# Altium PCB Taxi.PcbDoc (part 1 of 2)
Units mm, origin at the board's own origin, x right, y up, seen from the top; angles counter-clockwise.
Board outline 130 x 64 mm, 2 copper layers (Top Layer, Bottom Layer), stack 1.671 mm thick; 103 components, 82 nets, 446 pads, 196 vias.
Unrouted connection lines stored in the file: 37.
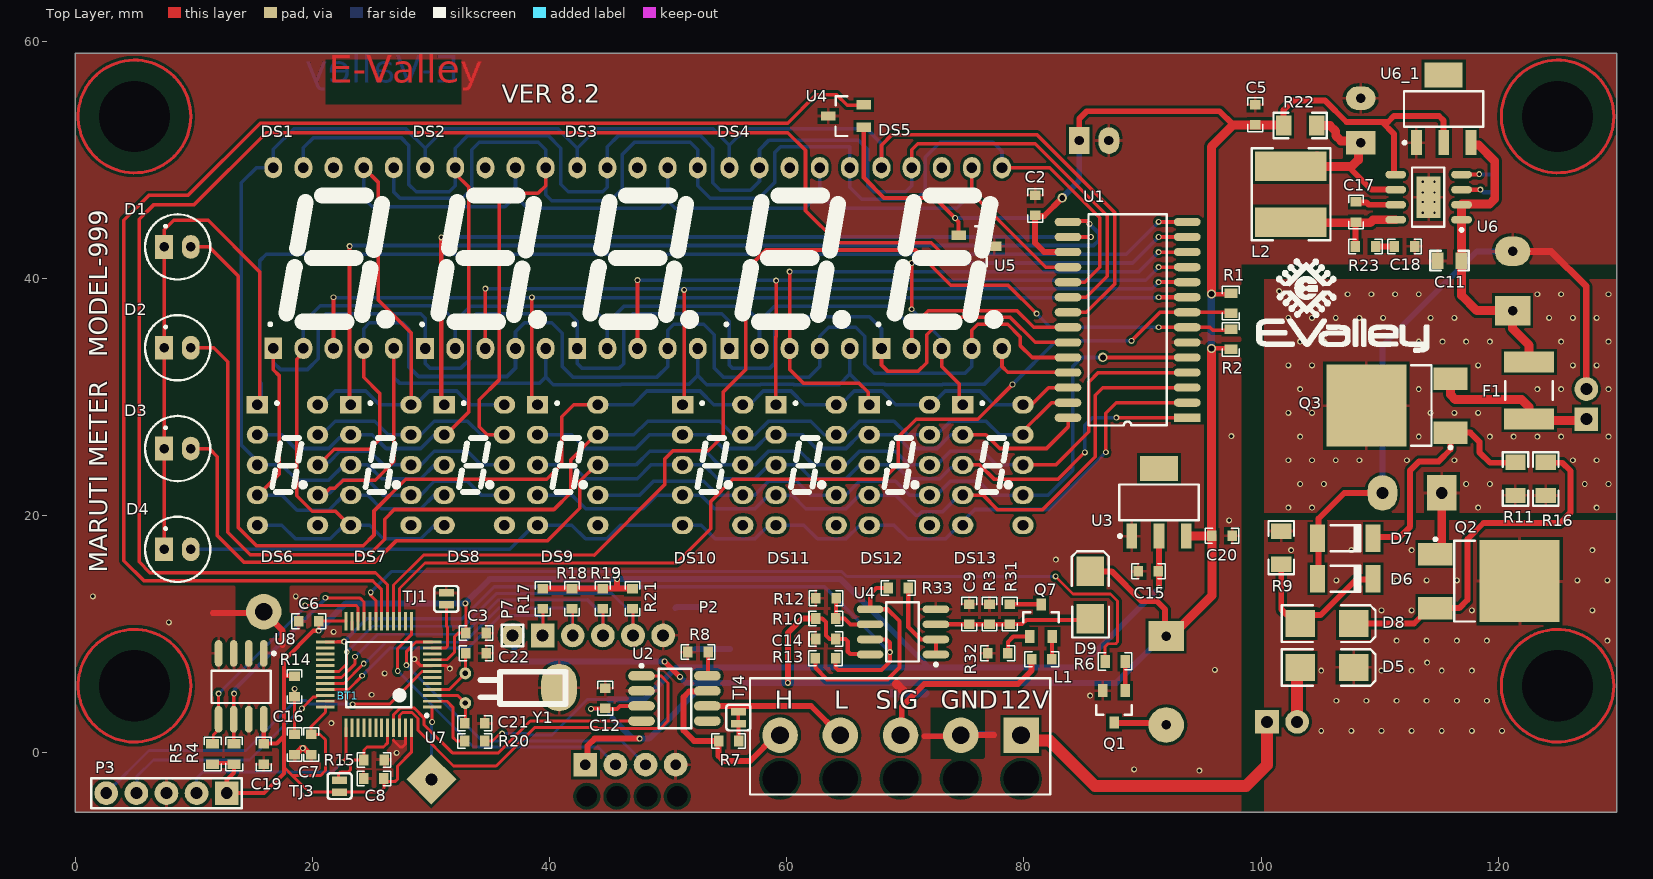
[diagram p0: Top Layer view]
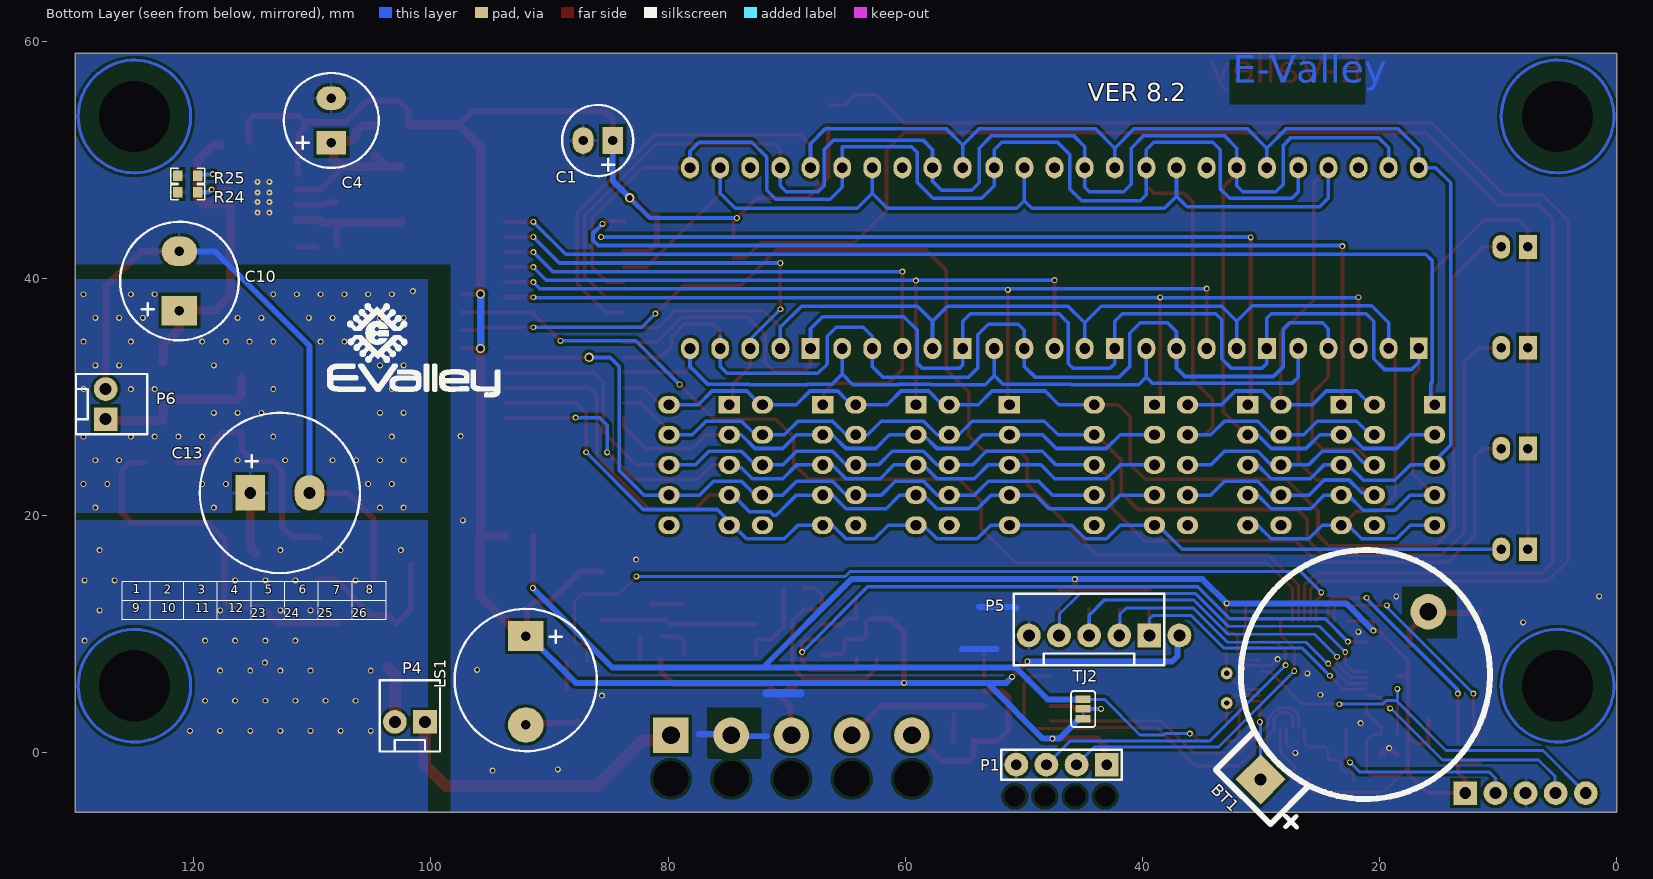
[diagram p1: Bottom Layer view, seen from below]
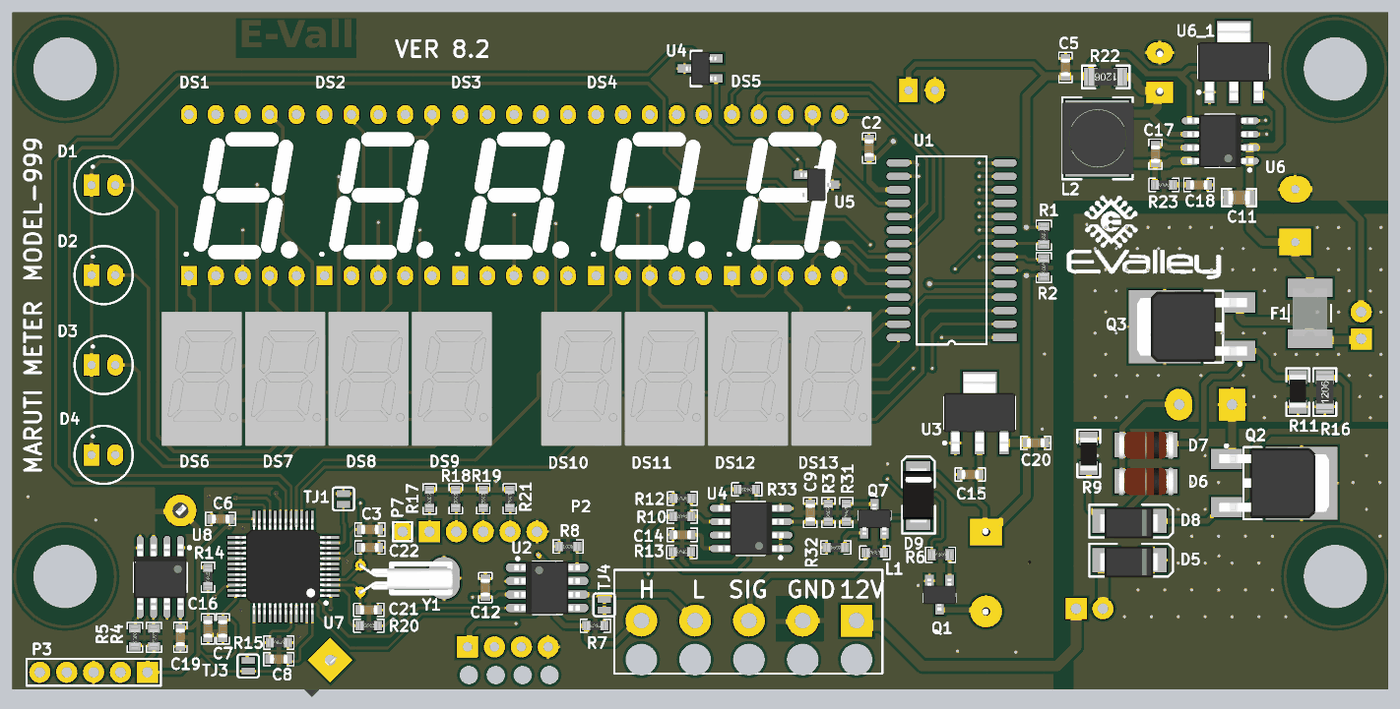
[diagram p3: 3D render of the assembled board from above, using the file's embedded part models]

## Layer stack, top to bottom
Top Solder: solder mask 0.0102, Solder Resist, Dk 3.5
Top Layer: signal copper 0.0356
Dielectric 1: dielectric 1.6, FR-4, Dk 4.8
Bottom Layer: signal copper 0.0356
Bottom Solder: solder mask 0.0102, Solder Resist, Dk 3.5

## Board outline
0,-5 130,-5 130,59 0,59

## Design rules (kind name [scope] priority, off if disabled: settings)
Clearance U1_Clearance [(InComponent('U7') OR InNet('NetC8_1') OR InNet('+3.3V')OR InNet('CAN_RXD') OR InNet('CAN_TXD') OR InNet('RST')OR InNet('ICPCK') OR InNet('ICPDA') OR InNet('NetC22_1')OR InNet('NetC22_1') OR InNet('NetBT1_1') OR InNet('NetP5_4') OR InNet('NetP5_3') OR InNet('NetP5_2') OR InNet('NetP5_1') OR InNet('SENSER1') OR InNet('SENSER2') OR InNet('NetTJ1_1') OR InNet('DIO') OR InNet('CLK') OR InNet('SDA') OR InNet('SCL') OR InNet('BUZZER'))] p1: gap=0.25 ignorepadtopadclearanceinfootprint=TRUE except(0.1: Arc-SMDPad Track-SMDPad; 0.15: Arc-Arc Arc-Track Track-Track)
Clearance [All] p2: gap=0.25 ignorepadtopadclearanceinfootprint=TRUE
ComponentClearance [All] p1: gap=0.05 collisioncheckmode=3 verticalgap=0.05 showdistances=FALSE
HoleSize [All] p1: absolutevalues=TRUE maxlimit=7 minlimit=0.025 maxpercent=80.000 minpercent=20.000
MinimumSolderMaskSliver [All] p1: minsoldermaskwidth=0.05
PlaneConnect [All] p1: pad.planeconnectstyle=Relief pad.reliefexpansion=0.508 pad.reliefentries=4 pad.reliefconductorwidth=0.25 pad.reliefairgap=0.254 via.planeconnectstyle=Direct via.reliefexpansion=0.508 via.reliefentries=4 via.reliefconductorwidth=0.25 via.reliefairgap=0.254
PolygonConnect [All] p1: thpad.connectstyle=Relief thpad.reliefconductorwidth=0.254 thpad.reliefentries=4 thpad.polygonreliefangle="90 Angle" thpad.airgapwidth=0.254 smdpad.connectstyle=Relief smdpad.reliefconductorwidth=0.254 smdpad.reliefentries=4 smdpad.polygonreliefangle="90 Angle" smdpad.airgapwidth=0.254 via.connectstyle=Direct via.reliefconductorwidth=0.254 via.reliefentries=4 via.polygonreliefangle="90 Angle" via.airgapwidth=0.254
RoutingVias [All] p1: holewidth=0.3 width=0.5 viastyle="Through Hole" minholewidth=0.3 minwidth=0.5 maxholewidth=2 maxwidth=3
ShortCircuit ShortCircuit_1 [(InNet('CAN_L') AND InNet('NetR7_1'))] p1: allowed=TRUE
ShortCircuit [All] p2: allowed=FALSE
SilkToSilkClearance [All] p1: silktosilkclearance=0.127
SilkToSolderMaskClearance [IsPad] p1 off: minsilkscreentomaskgap=0.127 clearancetoexposedcopper=TRUE
SolderMaskExpansion [All] p1: expansion=0.102 istentingtop=FALSE
Width [All] p1: maxlimit=2 minlimit=0.2 preferedwidth=0.4 minimp=50.000000 maximp=50.000000 favimp=50.000000
23 further rules are at their usual default settings.

## Classes and differential pairs
component class Taxi: BT1 C3 C4 C5 C6 C7 C8 C9 C10 C11 C12 C13 C14 C15 C16 C17 C18 C19 C20 C21 C22 D5 D6 D7 D8 D9 F1 L1 L2 LS1 P1 P2 P3 P4 P5 P6 P7 Q1 Q2 Q3 Q7 R3 R4 R5 R6 R7 R8 R9 R10 R11 R12 R13 R14 R15 R16 R17 R18 R19 R20 R21 R22 R23 R24 R25 R31 R32 R33 TJ1 TJ2 TJ3 TJ4 U2 U3 U4 U5 U6 U6_1 U7 U8 Y1
component class Display: C1 C2 D1 D2 D3 D4 DS1 DS2 DS3 DS4 DS5 DS6 DS7 DS8 DS9 DS10 DS11 DS12 DS13 R1 R2 U1

## Components (designator, comment, footprint, x,y, rotation, side; value= is the part's Value field where it differs from the comment)
BT1 "CR2032 3V" "BATTERY HOLDER(CR2032)" 15.9,11.9 r135 top locked
C1 "100uF/10V" C10UF25V 84.669,51.634 r0 bottom
C2 "0.1uF/10V" C0603 80.946,46.166 r270 top
C3 "0.1uF/10V" C0603 33.8,10.1 r180 top
C4 "220uF/16V" C220uF25V 108.4,51.45 r90 bottom
C5 "0.1uF" C0603 99.5,53.8 r270 top
C6 "0.1uF/10V" C0603 19.7,11.1 r0 top
C7 "0.1uF/10V" C0603 19.9,0.7 r90 top
C8 "0.1uF/10V" C0603 25.19,-2.161 r0 top
C9 "0.1uF" C0603 75.4,11.7 r90 top
C10 "1500uF/25V" C1000uF25V 121.205,37.283 r90 bottom
C11 "0.1uF/50V" C0805 115.9,41.5 r0 top
C12 "0.1uF/50V" C0603 44.7,4.6 r270 top
C13 "1000uF/50V" C1000uF50V 115.236,21.916 r180 bottom
C14 "0.1uF" C0603 63.3,9.6 r0 top
C15 "0.1uF/50V" C0603 90.5,15.3 r0 top
C16 "0.1uF/10V" C0603 18.5,0.7 r270 top
C17 "0.1uF/50V" C0603 108,45.6 r270 top
C18 "3.3nF" C0603 112.1,42.7 r180 top
C19 "0.1uF/10V" C0603 15.9,-0.1 r270 top
C20 "0.1uF/50V" C0603 96.7,18.3 r180 top
C21 "0.1uF/50V" C0603 33.7,2.5 r0 top
C22 "0.1uF/50V" C0603 33.8,8.4 r0 top
D1 "RED" LED-5MM 7.5,42.66 r0 top
D2 "GREEN" LED-5MM 7.5,34.16 r0 top
D3 "YELLOW" LED-5MM 7.5,25.66 r0 top
D4 "RED" LED-5MM 7.5,17.16 r0 top locked
D5 "M7" DO-241 103.3,7.2 r0 top
D6 "12V Zener" LL-41 107.1,14.67 r0 top
D7 "12V Zener" LL-41 107.1,18.1 r0 top
D8 "M7" DO-241 103.3,10.9 r0 top
D9 "M7" SMA 85.6,13.3 r90 top
DS1 "7 Segment 0.56" 7SEGMENT(0.56) 16.705,34.107 r0 top locked
DS2 "7 Segment 0.56" 7SEGMENT(0.56) 29.511,34.101 r0 top locked
DS3 "7 Segment 0.56" 7SEGMENT(0.56) 42.338,34.101 r0 top locked
DS4 "7 Segment 0.56" 7SEGMENT(0.56) 55.165,34.101 r0 top locked
DS5 "7 Segment 0.56" 7SEGMENT(0.56) 67.992,34.101 r0 top locked
DS6 "7 Segment 0.3\"" 7SEGMENT(0.36) 15.365,29.357 r0 top locked
DS7 "7 Segment 0.3\"" 7SEGMENT(0.36) 23.242,29.357 r0 top locked
DS8 "7 Segment 0.3\"" 7SEGMENT(0.36) 31.116,29.357 r0 top locked
DS9 "7 Segment 0.3\"" 7SEGMENT(0.36) 38.99,29.357 r0 top locked
DS10 "7 Segment 0.3\"" 7SEGMENT(0.36) 51.22,29.357 r0 top locked
DS11 "7 Segment 0.3\"" 7SEGMENT(0.36) 59.094,29.357 r0 top
DS12 "7 Segment 0.3\"" 7SEGMENT(0.36) 66.968,29.357 r0 top locked
DS13 "7 Segment 0.3\"" 7SEGMENT(0.36) 74.842,29.357 r0 top locked
F1 "500mA PTC" "1812(PTC FUSE)" 122.602,30.552 r90 top
L1 "Res1" R0603#1 81.5,7.9 r0 top value=1K
L2 "22uH" Ferrite_Coil_22uH 102.5,47.1 r90 top
LS1 "Buzzer 5V" BUZZER 92,6.1 r270 bottom
P1 "Header 4X1" HDR1X4 43.02,-1 r0 bottom
P2 "Header 5X1" Connector_508_5pin 79.76,1.483 r180 top
P3 "Header 5X1" HDR1X5 12.78,-3.4 r180 top
P4 "Header 2X1" HDR1X2_2515 100.504,2.612 r0 bottom
P5 "Header 5" HDR1X5_2515 39.42,9.9 r0 bottom
P6 "Header 2X1" HDR1X2_2515 127.428,28.139 r90 bottom
P7 "Header 1X1" HDR1X1 36.88,9.9 r0 top
Q1 "NPN" SOT-23 87.6,3.9 r270 top
Q2 "2P4M" DPAK_SOT423_252 119.25,14.48 r0 top
Q3 "TIP122" DPAK_SOT423_252 111.426,29.282 r180 top
Q7 "BC857" SOT-23 81.45,11.15 r90 top
R1 "10K" R0603#2 97.456,37.918 r90 top value=1K
R2 "10K" R0603#2 97.456,34.87 r270 top value=1K
R3 "10K" R0603#1 77.1,11.7 r90 top value=1K
R4 "Res1" R0603#2 11.6,-0.1 r270 top value=1K
R5 "Res1" R0603#2 13.4,-0.1 r270 top value=1K
R6 "Res1" R0603#2 87.7,7.7 r180 top value=1K
R7 "120R" R0603#1 55.1,1 r180 top
R8 "0R" R0603#1 52.524,8.497 r180 top
R9 "Res1" R1206 101.7,17.3 r90 top value=1K
R10 "10K" R0603#1 63.3,11.324 r180 top value=1K
R11 "Res1" R1206 121.441,23.101 r270 top value=1K
R12 "2K2" R0603#1 63.316,13.04 r180 top value=1K
R13 "100K" R0603#1 63.272,7.977 r180 top value=1K
R14 "1K" R0603#1 18.5,5.6 r90 top
R15 "Res1" R0603#1 25.2,-0.6 r0 top value=1K
R16 "Res1" R1206 124,23.1 r90 top value=1K
R17 "1K" R0603#1 39.438,12.995 r90 top
R18 "1K" R0603#1 41.9,13 r90 top
R19 "1K" R0603#1 44.5,13 r90 top
R20 "1K" R0603#1 33.7,1 r0 top
R21 "1K" R0603#1 47,13 r90 top
R22 "0R062" R1206 103.3,52.9 r180 top value=1K
R23 "3R3" R0603#1 108.8,42.7 r180 top value=1K
R24 "DNP" R0603#1 120.504,47.273 r180 bottom
R25 "DNP" R0603#1 120.504,48.673 r180 bottom
R31 "4K7" R0603#1 78.8,11.7 r90 top value=1K
R32 "10K" R0603#1 77.8,8.4 r0 top value=1K
R33 "2K2" R0603#1 69.4,13.9 r180 top value=1K
TJ1 "JUMPER-PAD-2-NO_BY_TRACE" PAD_JUMPER_2_NO 31.3,12.992 r270 top
TJ2 "" PAD_JUMPER_3_12NC 45,3.7 r90 bottom
TJ3 "JUMPER-PAD-2-NO_BY_TRACE" PAD_JUMPER_2_NO 22.3,-2.8 r270 top
TJ4 "" PAD_JUMPER_2_NC 55.925,2.967 r90 top
U1 "TMXXXX" SOP28 93.773,28.259 r180 top
U2 "SN65HVD1050DR" SOIC-8N#1 50.539,4.589 r0 top
U3 "LM1117-3.3V" SOT223 91.396,21.127 r90 top
U4 "LM393" SOIC-8N#2 69.8,10.2 r180 top
U4 "Hall effect Switch" "SOT-23 - Sensor" 65,53.7 r180 top
U5 "Hall effect Switch" "SOT-23 - Sensor" 76,42.7 r0 top
U6 "uP9601TSW8" "SO PowerPAD" 114.121,46.853 r180 top
U6_1 "LM1117-5.0V" SOT223 115.4,54.3 r90 top
U7 "Microcontroller" TQFP48 25.6,6.6 r180 top
U8 "24C02" SOIC-8N#2 14,5.6 r270 top
Y1 "XTAL" Craystal_Radial_2x6 32.9,5.45 r270 top

## Footprints (in the part's own frame and the unit in brackets; to place one, negate y for a bottom-side part, rotate by r counter-clockwise, add the part's x,y. Pads: shape width x height; smd on the part's side, far side on the other; paste and mask are expansions set on the pad)
7SEGMENT(0.36) [mm]
  rect 1.8x1.5 hole 0.9: 1(0,0)
  oval 1.8x1.5 hole 0.9: 2(0,-2.54) 3(0,-5.08) 4(0,-7.62) 5(0,-10.16) 6(5.08,-10.16) 7(5.08,-7.62) 8(5.08,-5.08) 9(5.08,-2.54) 10(5.08,0)
  silkscreen extent 1.26,-7.35 4,0.25, body extent -1.25,-11.35 6.35,1.35, height 7.2
7SEGMENT(0.56) [mm]
  rect 1.5x1.8 hole 0.9: 1(0,0)
  oval 1.5x1.8 hole 0.9: 2(2.54,0) 3(5.08,0) 4(7.62,0) 5(10.16,0) 6(10.16,15.24) 7(7.62,15.24) 8(5.08,15.24) 9(2.54,15.24) 10(0,15.24)
  silkscreen extent -0.38,1.91 9.77,12.9, body extent -1.25,-1.9 11.35,17.1, height 8
"1812(PTC FUSE)" [mm] "Chip Capacitor, Body 4.5x3.2mm, IPC High Density"
  rect 1.75x4.22 smd: 1(-2.4,0) 2(2.4,0)
  silkscreen extent -0.8,-2 0.8,2, body extent -2.2,-1.59 2.35,1.65, height 0.7
"BATTERY HOLDER(CR2032)" [mm]
  rect 3x3 hole 1: 1(-20,0)
  round 3 hole 1.5: 2(0,0)
  body extent -21.28,-11.22 3.02,11.08, height 8.5
BUZZER [mm]
  rect 2.5x3 hole 0.8: 1(-3.75,0)
  round 3 hole 0.8: 2(3.75,0)
  silkscreen extent -6.04,-6 5.96,6, body extent -6.02,-5.95 5.98,6.05, height 9.5
C10UF25V [mm]
  rect 1.75x2.25 hole 0.8: 1(0,0)
  oval 1.75x2.25 hole 0.8: 2(2.5,0)
  silkscreen extent -1.73,-3 4.27,3
C220uF25V [mm]
  rect 2x2.5 hole 0.8: 1(0,0)
  oval 2x2.5 hole 0.8: 2(3.75,0)
  silkscreen extent -2.12,-4 5.88,4, body extent -2.12,-3.97 5.88,4.02, height 11.5
C0603 [mm]
  rect 0.8x0.9 smd: 1(-0.85,0) 2(0.85,0)
  silkscreen extent -1.42,-0.63 1.42,0.63, body extent -0.85,-0.45 0.85,0.45, height 0.9
C0805 [mm]
  rect 1x1.4 smd: 1(-1,0) 2(1,0)
  silkscreen extent -1.63,-0.82 1.63,0.82, body extent -1.05,-0.67 1.05,0.68, height 0.95
C1000uF25V [mm]
  rect 2.5x3 hole 0.8: 1(0,0)
  oval 2.5x3 hole 0.8: 2(5,0)
  silkscreen extent -2.5,-5 7.5,5
C1000uF50V [mm]
  rect 2.5x3 hole 1: 1(0,0)
  oval 2.5x3 hole 1: 2(5,0)
  silkscreen extent -4.25,-6.75 9.25,6.75
Connector_508_5pin [mm]
  rect 3x3 hole 1.5: 1(0,0)
  round 3 hole 1.5: 2(5.08,0) 3(10.16,0) 4(15.24,0) 5(20.32,0)
  silkscreen extent -2.45,-4.8 22.86,5, body extent -2.37,-4.83 22.86,5.02, height 14.5
Craystal_Radial_2x6 [mm] "32.768KHz, 2mm diameter, 6mm length"
  round 1 hole 0.45: 1(-1.25,0) 2(1.25,0)
  silkscreen extent -1.39,1.28 1.33,8.45, body extent -1.38,-0.14 1.46,8.75, height 2
DO-241 [mm]
  rect 2.5x2.3 smd: 1(0,0) 2(4.5,0)
  silkscreen extent -1.55,-1.55 6.35,1.55, body extent -0.6,-1.65 5,1.3, height 2.9
DPAK_SOT423_252 [mm] "D-PAK, 3-Pads, Body 8.30x6.76mm (max), IPC Low Density"
  rect 2.9x1.9 smd: 1(-4.55,2.28) 3(-4.55,-2.28)
  rect 6.75x6.9 smd: 4(2.55,0)
  silkscreen extent -4.67,-3.4 -1.23,3.65, body extent -5.22,-3.33 5.18,3.35, height 2.4
Ferrite_Coil_22uH [mm] "Precision Wire Wound Inductor, 2-Leads, Body 6.3x6.00mm, IPC Low Density"
  rect 2.5x6 smd: 1(-2.35,0) 2(2.35,0)
  silkscreen extent -3.88,-3.35 3.88,3.3, body extent -3.4,-3.45 3.4,3.35, height 2.8
HDR1X1 [mm] "Connector; Header; 1Position"
  round 2 hole 1: 1(0,0)
  silkscreen extent -0.9,-0.9 0.9,0.9
HDR1X2_2515 [mm] "Connector; Header; 5 Position"
  rect 2x2 hole 1: 1(0,0)
  round 2 hole 1: 2(2.54,0)
  silkscreen extent -1.27,-3.5 3.81,2.5
HDR1X4 [mm] "Connector; Header; 4 Position"
  rect 2x2 hole 0.9: 1(0,0)
  round 2 hole 0.9: 2(2.54,0) 3(5.08,0) 4(7.62,0)
  silkscreen extent -1.27,-1.27 8.89,1.27
HDR1X5 [mm] "Connector; Header; 5 Position"
  rect 2x2 hole 1: 1(0,0)
  round 2 hole 1: 2(2.54,0) 3(5.08,0) 4(7.62,0) 5(10.16,0)
  silkscreen extent -1.27,-1.27 11.43,1.27
HDR1X5_2515 [mm] "Connector; Header; 5 Position"
  rect 2x2 hole 1: 1(0,0)
  round 2 hole 1: 2(2.54,0) 3(5.08,0) 4(7.62,0) 5(10.16,0)
  silkscreen extent -1.27,-3.5 11.43,2.5
LED-5MM [mm]
  rect 1.5x2 hole 0.8: 1(0,0)
  oval 1.5x2 hole 0.8: 2(2.25,0)
  silkscreen extent -1.61,-2.75 3.89,2.75, body extent -1.85,-3 3.77,2.95, height 8.72
LL-41 [mm] "MELF Diode, 2-Leads, Body 5.00x2.40mm, IPC Low Density"
  rect 1.25x2.3 smd: 1(-2.35,0) 2(2.35,0)
  silkscreen extent -1.25,-1.1 1.25,1.1, body extent -2.58,-1.33 2.63,1.27, height 2.6
PAD_JUMPER_2_NC [mil] "PAD-JUMPER-2-NC_BY_TRACE_YES_SILK"
  rect 25x50 smd: 1(-20,0) 2(20,0)
  Top Layer region: -15.75,-5.91 15.74,-5.91 15.74,5.91 -15.75,5.91
  silkscreen extent -42,-40 43,40
PAD_JUMPER_2_NO [mil] "PAD-JUMPER-2-NO_BY_TRACE_YES_SILK"
  rect 25x50 smd: 1(-20,0) 2(20,0)
  silkscreen extent -43,-40 43,40
PAD_JUMPER_3_12NC [mil] "PAD-JUMPER-3-1OF1_NC_BY_TRACE_YES_SILK_FULL_BOX"
  rect 25x50 smd: 1(-32,0) 2(0,0) 3(32,0)
  Top Layer region: -21.43,3.94 -11,3.94 -11,-3.94 -21.43,-3.94
  silkscreen extent -60,-40 60,40
R0603#1 [mm]
  rect 0.8x0.9 smd: 1(-0.85,0) 2(0.85,0)
  silkscreen extent -1.42,-0.63 1.42,0.63, body extent -1.05,-0.4 1.05,0.4, height 0.5
R0603#2 [mm]
  rect 0.8x1.1 smd: 1(-0.85,0) 2(0.85,0)
  silkscreen extent -1.41,-0.72 1.42,0.72, body extent -1.05,-0.4 1.05,0.4, height 0.5
R1206 [mm]
  rect 1.3x1.7 smd: 1(-1.4,0) 2(1.4,0)
  silkscreen extent -2.25,-1.07 2.25,1.07, body extent -1.62,-0.77 1.48,0.78, height 0.55
SMA [mm]
  rect 2.5x2.3 smd: 1(-2,0) 2(2,0)
  silkscreen extent -3.57,-1.57 3.7,1.55, body extent -2.62,-1.48 2.67,1.45, height 2.41
"SO PowerPAD" [mm]
  oval 1.75x0.65 smd: 1(-2.783,1.905) 2(-2.783,0.635) 3(-2.783,-0.635) 4(-2.783,-1.905) 5(2.767,-1.905) 6(2.767,-0.635) 7(2.767,0.635) 8(2.767,1.905)
  rect 2x3.5 smd: 9(0,0)
  silkscreen extent -2.91,-2.5 1.4,2.88, body extent -3.1,-2.5 3.1,2.5, height 1.75
SOIC-8N#1 [mm] "SOIC, 8-Leads, Body 4.90x3.90mm, Pitch 1.27mm, IPC Medium Density"
  oval 2.25x0.8 smd: 1(-2.783,1.905) 2(-2.783,0.635) 3(-2.783,-0.635) 4(-2.783,-1.905) 5(2.767,-1.905) 6(2.767,-0.635) 7(2.767,0.635) 8(2.767,1.905)
  silkscreen extent -2.91,-2.5 1.4,2.88, body extent -3.1,-2.5 3.1,2.5, height 1.75
SOIC-8N#2 [mm] "SOIC, 8-Leads, Body 4.90x3.90mm, Pitch 1.27mm, IPC Medium Density"
  oval 2.25x0.65 smd: 1(-2.783,1.905) 2(-2.783,0.635) 3(-2.783,-0.635) 4(-2.783,-1.905) 5(2.767,-1.905) 6(2.767,-0.635) 7(2.767,0.635) 8(2.767,1.905)
  silkscreen extent -2.91,-2.5 1.4,2.88, body extent -3.1,-2.5 3.1,2.5, height 1.75
SOP28 [mm]
  rect 2.25x0.7 smd: 1(0,0)
  oval 2.25x0.7 smd: 2(0,-1.27) 3(0,-2.54) 4(0,-3.81) 5(0,-5.08) 6(0,-6.35) 7(0,-7.62) 8(0,-8.89) 9(0,-10.16) 10(0,-11.43) 11(0,-12.7) 12(0,-13.97) 13(0,-15.24) 14(0,-16.51) 15(10.05,-16.51) 16(10.05,-15.24) 17(10.05,-13.97) 18(10.05,-12.7) 19(10.05,-11.43) 20(10.05,-10.16) 21(10.05,-8.89) 22(10.05,-7.62) 23(10.05,-6.35) 24(10.05,-5.08) 25(10.05,-3.81) 26(10.05,-2.54) 27(10.05,-1.27) 28(10.05,0)
  silkscreen extent 1.73,-17.14 8.32,0.66, body extent -0.25,-17.23 10.05,0.67, height 2.65
SOT223 [mm]
  rect 2.1x0.9 smd: 1(-2.85,2.3) 2(-2.85,0) 3(-2.85,-2.3)
  rect 2.1x3.2 smd: 4(2.85,0)
  silkscreen extent -2.97,-3.35 1.5,3.42, body extent -3.62,-3.35 3.67,3.35, height 1.8
SOT-23 [mm] "SOT23, 3-Leads, Body 2.9x1.3mm, Pitch 0.95mm, Lead Span 2.3mm - Reverse Pinning, IPC Medium Density"
  rect 1.1x0.8 smd: 1(-1.35,0.95) 2(-1.35,-0.95)
  rect 1x0.8 smd: 3(1.35,0)
  silkscreen extent -0.13,-1.5 0.7,1.5, body extent -1.53,-1.55 1.47,1.55, height 1.45
"SOT-23 - Sensor" [mm] "SOT23, 3-Leads, Body 2.9x1.3mm, Pitch 0.95mm, Lead Span 2.3mm - Reverse Pinning, IPC Medium Density"
  rect 1.25x0.8 smd: 1(-1.5,0.95) 2(-1.5,-0.95) 3(1.5,0)
  silkscreen extent -0.13,-1.68 0.89,1.69, body extent -1.53,-1.55 1.47,1.55, height 1.45
TQFP48 [mm]
  rect 1.55x0.25 smd: 1(-4.5,2.75) 2(-4.5,2.25) 3(-4.5,1.75) 4(-4.5,1.25) 5(-4.5,0.75) 6(-4.5,0.25) 7(-4.5,-0.25) 8(-4.5,-0.75) 9(-4.5,-1.25) 10(-4.5,-1.75) 11(-4.5,-2.25) 12(-4.5,-2.75) 25(4.5,-2.75) 26(4.5,-2.25) 27(4.5,-1.75) 28(4.5,-1.25) 29(4.5,-0.75) 30(4.5,-0.25) 31(4.5,0.25) 32(4.5,0.75) 33(4.5,1.25) 34(4.5,1.75) 35(4.5,2.25) 36(4.5,2.75)
  rect 0.25x1.55 smd: 13(-2.75,-4.5) 14(-2.25,-4.5) 15(-1.75,-4.5) 16(-1.25,-4.5) 17(-0.75,-4.5) 18(-0.25,-4.5) 19(0.25,-4.5) 20(0.75,-4.5) 21(1.25,-4.5) 22(1.75,-4.5) 23(2.25,-4.5) 24(2.75,-4.5) 37(2.75,4.5) 38(2.25,4.5) 39(1.75,4.5) 40(1.25,4.5) 41(0.75,4.5) 42(0.25,4.5) 43(-0.25,4.5) 44(-0.75,4.5) 45(-1.25,4.5) 46(-1.75,4.5) 47(-2.25,4.5) 48(-2.75,4.5)
  silkscreen extent -4.18,-2.75 2.75,3.57, body extent -4.51,-4.51 4.51,4.51, height 1.55

## Part data
BT1: library part Battery, "Cell Battery", LatestRevisionDate=17-Jul-2002, LatestRevisionNote="Re-released for DXP Platform.", PackageDescription="Battery; 2 Leads", PackageReference=BAT-2, Published=24-Mar-1999, Publisher="Altium Limited"
C1 C4 C10 C13: library part Capacitor_Electrolytic
C2 C3 C5 C6 C7 C8 C9 C11 C14 C15 C16 C17 C18 C19 C20 C21 C22: library part Capacitor_Ceramic
C12: library part Capacitor_Ceramic, Case/Package=C0603, Manufacturer Part Number=TCC0603X7R104K500CT, Mount=Yes
D1 D2 D3 D4: library part LED
D5 D8 D9: library part Diode
D6 D7: library part "D Zener", "Zener Diode", LatestRevisionDate=17-Jul-2002, LatestRevisionNote="Re-released for DXP Platform.", PackageDescription="Diode, Thru-Hole; 2 Leads; 0.7 in Pin Spacing", PackageReference=DIODE-0.7, Published=8-Jun-2000, Publisher="Altium Limited"
DS1 DS2 DS3 DS4 DS5: library part "7 Segment_CA_0.56"
DS6 DS7 DS8 DS9 DS10 DS11 DS12 DS13: library part "7 Segment_CA_0.36"
F1: library part Fuse
L1 R4 R5 R6 R9 R11 R15 R16: "Resistor", LatestRevisionDate=17-Jul-2002, LatestRevisionNote="Re-released for DXP Platform.", PackageDescription="Axial Device, Thru-Hole; 2 Leads; 0.3 in Pin Spacing", PackageReference=AXIAL-0.3, Published=8-Jun-2000, Publisher="Altium Limited"
L2: library part Ferrite_Coil
LS1: library part Buzzer, "Magnetic Transducer Buzzer", ComponentLink1Description="Manufacturer Link", ComponentLink1URL=http://www.megastar.com/linecard/buzzmode/index.php, DatasheetVersion=17-Dec-2003, LatestRevisionDate=17-Dec-2003, LatestRevisionNote="Schematic revised, PCB Footprint replaced.", PackageDescription="Magnetic Transducer Buzzer", PackageReference=ABSM-1574, Published=24-Mar-1999, Publisher="Altium Limited"
P1: library part "Header 4", "Header, 4-Pin", LatestRevisionDate=17-Jul-2002, LatestRevisionNote="Re-released for DXP Platform.", Publisher="Altium Limited"
P2 P3: library part "Header 5", "Header, 5-Pin", LatestRevisionDate=17-Jul-2002, LatestRevisionNote="Re-released for DXP Platform.", Publisher="Altium Limited"
P5: "Header, 5-Pin", LatestRevisionDate=17-Jul-2002, LatestRevisionNote="Re-released for DXP Platform.", Publisher="Altium Limited"
Q2: library part SCR, "Silicon Controlled Rectifier", Code_JEDEC=TO-220-AB, LatestRevisionDate=17-Jul-2002, LatestRevisionNote="Re-released for DXP Platform.", PackageReference=TO-220-AB, Published=8-Jun-2000, Publisher="Altium Limited"
Q3: library part NPN1, "NPN Darlington Bipolar Transistor", Code_JEDEC=TO-92, DatasheetVersion=1989, LatestRevisionDate=17-Jul-2002, LatestRevisionNote="Re-released for DXP Platform.", PackageDescription="TO, Flat Index; 3 In-Line, Axial Leads; Body Dia. 4.6mm; Leads 0.41 x 0.39 mm (max)", PackageReference=TO-92, PackageVersion=1989, Published=8-Jun-2000, Publisher="Altium Limited"
Q7: library part PNP
R1 R2 R3 R10 R12 R13 R14 R17 R18 R19 R20 R21 R22 R23 R24 R25 R31 R32 R33: library part Res1, "Resistor", LatestRevisionDate=17-Jul-2002, LatestRevisionNote="Re-released for DXP Platform.", PackageDescription="Axial Device, Thru-Hole; 2 Leads; 0.3 in Pin Spacing", PackageReference=AXIAL-0.3, Published=8-Jun-2000, Publisher="Altium Limited"
R7: library part Res1, "Resistor", Case/Package=R0603, Manufacturer Part Number=RC0603FR-07120RL
R8: library part Res1, "Resistor", Case/Package=R0603, Manufacturer Part Number=RC0603FR-070RL, Mount=Yes
TJ2: library part JUMPER-PAD-3-1OF2_NC_BY_TRACE_SMALL
TJ4: library part JUMPER-PAD-2-NC_BY_TRACE
U2: library part SN65HVD230, "CAN Transceiver", Case/Package=SOIC-8, Manufacturer Part Number=SN65HVD1050DR, Mount=Yes
U3 U6_1: library part LM1117
U4: library part LM158
U4 U5: library part AH1802
U6: library part uP9601T, "DC-to-DC Converter Control Circuit", Code_IPC=SOIC127P600-8, Code_JEDEC=MS-012-AA, ComponentLink1Description="Manufacturer Link", ComponentLink1URL=http://www.onsemi.com/site/products/taxonomy/0,4438,503,00.html, ComponentLink2Description=Datasheet, ComponentLink2URL=http://www.onsemi.com/pub/Collateral/MC34063A-D.PDF, DatasheetVersion=1996, LatestRevisionDate=13-Apr-2006, LatestRevisionNote="IPC-7351 Footprint Added.", PackageDescription="8-Pin Small Outline Integrated Circuit 1.27 mm Pitch", PackageReference=751-05, PackageVersion=1998, Published=15-Apr-2002, Publisher="Altium Limited"
U7: library part STM32F072C8T6
U8: library part 24Cxx
Y1: "Crystal Oscillator", LatestRevisionDate=17-Jul-2002, LatestRevisionNote="Re-released for DXP Platform.", PackageDescription="Crystal, Thru-Hole; 2 Leads; Body 3.1 x 8.2 mm (Dia.xH)", PackageReference=R38, Published=8-Jun-2000, Publisher="Altium Limited"

## Free pads (board coordinates)
  oval 3x4 smd: 0(40.8,5.5)
  round 0 hole 3 unplated: 1(79.76,-2.2) 2(74.68,-2.2) 3(69.6,-2.2) 4(64.52,-2.2) 5(59.44,-2.2)
  round 0 hole 1.75 unplated: 6(50.767,-3.667) 7(48.227,-3.667) 8(45.687,-3.667) 9(43.147,-3.667)
  round 0 hole 6 unplated: MH1(5,5.66) MH1(5,5.66) MH2(5,53.66) MH2(5,53.66) MH3(125,53.66) MH3(125,53.66) MH4(125,5.66) MH4(125,5.66)

## Via types
v1: diameter 0.5, hole 0.3, Top Layer to Bottom Layer, tented both sides, 182 vias
v2: diameter 0.5, hole 0.2, Top Layer to Bottom Layer, tented both sides, 8 vias
v3: diameter 0.5, hole 0.3, Top Layer to Bottom Layer, 2 vias
v4: diameter 0.75, hole 0.5, Top Layer to Bottom Layer, tented both sides, 2 vias
v5: diameter 0.8, hole 0.5, Top Layer to Bottom Layer, tented both sides, 2 vias

## Nets (pads, with @x,y where several pads share a name; then routed paths per layer and width w, separated by ;. In a path a pad name is that pad's centre, name@x,y a point inside that pad or via, vN(x,y) a via of type N, cw(c..) or ccw(c..) an arc to the next point about the centre after c; other vN are vias at no path point)
+3.3V: C3.2 C6.2 C7.2 C8.2 C15.2 C19.1 P3.1 R4.2 R5.2 R14.2 R17.2 R18.2 R19.2 R20.2 R21.2 TJ2.3 TJ3.2 U3.2 U7.9 U7.24 U7.36 U7.48 U8.8 | length 196.3
  Top Layer w0.25: 17.6,-1.2 18.3,-1.9 ; v1@20.5,10.3 20.55,10.35 C6.2@20.55,11.1 U7.24@22.85,11.1 ; U7.36@21.1,3.85 21.1,3.425 19.9,2.225 C7.2@19.9,1.55 20.65,1.55 21.104,1.096 21.104,-1.496 20.7,-1.9 18.3,-1.9 ; U7.48@28.35,2.1 28.35,0.05 27.2,-1.1 27.2,-2.2 27,-2.4 26.279,-2.4 C8.2@26.04,-2.161 26.04,-2.96 25.692,-3.308 TJ3.2@22.3,-3.308 19.708,-3.308 18.3,-1.9 ; U7.9@30.1,7.85 31.35,7.85 32,8.5 32,9.8 32.3,10.1 C3.2@32.95,10.1 32.95,12.55 v1(32.9,12.6) ; R20.2@34.55,1 35.2,1 35.7,1.5 35.807,1.5 35.932,1.625 v1(36,1.625)
  Top Layer w0.35: R4.2@11.55,-0.85 13.4,-0.85 13.4,-1.68 12.78,-2.3 P3.1@12.78,-3.4 15.927,-3.4 17.6,-1.727 17.6,-1.2 17.6,1.4 ; C19.1@15.9,0.75 C19.1@15.903,0.752 ; U8.8@15.905,2.833 15.903,2.83 C19.1@15.903,0.752 ; R14.2@18.5,6.45 18.45,6.5 17.6,6.5 ; v1(20.528,10.3) 20.1,10.3 17.6,7.8 17.6,6.5 ; C19.1@15.903,0.752 15.95,0.8 17,0.8 17.6,1.4 ; 17.6,1.4 17.6,6.5
  Top Layer w0.5: R17.2@39.438,13.845 39.44,13.847 41.9,13.847 44.5,13.847 45.7,13.847 ; v1(45.7,14.65) 45.7,13.847 ; R21.2@47,13.85 46.997,13.847 45.7,13.847 ; U3.2@91.396,18.277 91.396,13.904 v1(91.4,13.9)
  Bottom Layer w0.25: v1(36,1.625) 38.071,1.625 38.196,1.5 40.2,1.5 43.213,4.513 TJ2.3@45,4.513
  Bottom Layer w0.5: v1(20.528,10.3) 22.828,12.6 v1(32.9,12.6) 34.95,14.65 64.55,14.65 72,7.2 ; TJ2.3@45,4.513 48.013,4.513 50.697,7.197 71.997,7.197 72,7.2 ; v1(91.4,13.9) 84.7,7.2 72,7.2
+5V: C1.1 C2.2 C5.2 C14.2 C20.2 D9.2 LS1.1 P1.1 P7.1 R1.2 R2.2 R10.2 R22.2 TJ2.1 U1.17 U3.3 U4.1@66.5,52.75 U4.8 U5.1 U6.5 U6_1.2 | length 233.2
  Top Layer w0.3: C1.1@84.669,51.634 C1.1@84.676,51.641
  Top Layer w0.35: R10.2@62.45,11.324 62.995,11.324 63.3,11.019 63.3,9.9 63.6,9.6 64.1,9.6 C14.2@64.125,9.575 ; C14.2@64.15,9.6 64.948,9.6 65.154,9.395 65.154,8.529 65.359,8.324 67.004,8.324 U4.8@67.033,8.295 ; U4.1@66.5,52.75 66.5,48.5 68.2,46.8 72.5,46.8 v1(74.2,45.1) 74.2,45.059 74.5,44.759 U5.1@74.5,43.65 ; v4(95.805,34.108) 95.817,34.12 R2.2@97.456,34.12 ; v4(95.805,38.68) 95.817,38.668 R1.2@97.456,38.668
  Top Layer w0.5: P1.1@43.02,-1 43.2,-0.82 43.2,0.6 43.8,1.2 v1(47.6,1.2) ; v3(49.7,7.7) v3(51,6.4) ; v1(60.1,5.9) 60.1,10.1 61.324,11.324 R10.2@62.45,11.324 ; U4.8@66.233,8.295 U4.8@67.033,8.295 ; v5(83.232,46.801) 81.697,45.266 80.946,45.266 80.946,42.991 81.708,42.229 U1.17@83.723,42.229 U1.17@83.697,42.203 ; C1.1@84.669,51.634 84.669,53.469 85.3,54.1 96.5,54.1 97.65,52.95 ; D9.2@85.6,15.3 87.4,15.3 89.9,12.8 91.2,12.8 91.9,12.1 91.9,9.95 LS1.1@92,9.85 ; R22.2@101.85,52.95 R22.2@101.9,52.9 101.907,52.907 101.907,54.207 102.7,55 105.4,55 107.2,53.2 110.2,53.2 ; U6.5@111.354,48.758 111.269,48.758 111.2,48.827 111.2,52.2 110.2,53.2 ; U6_1.2@115.4,51.45 115.4,53.3 115,53.7 111.2,53.7 110.7,53.2 110.2,53.2
  Top Layer w0.75: LS1.1@92.35,9.75 95.85,13.25 C20.2@95.85,18.3 95.839,18.289 C20.2@95.805,18.289 ; U3.3@93.696,18.277 93.707,18.289 C20.2@95.805,18.289 ; C20.2@95.805,18.25 C20.2@95.805,18.289 ; v4(95.805,34.108) C20.2@95.805,18.289 ; v4(95.805,38.68) 95.805,51.105 97.65,52.95 C5.2@99.5,52.95 R22.2@101.85,52.95 ; C20.2@95.825,18.225 C20.2@95.825,18.25
  Bottom Layer w0.35: v1(74.2,45.1) 81.531,45.1 v5(83.232,46.801)
  Bottom Layer w0.5: P7.1@36.88,9.9 36.8,9.82 37.05,9.57 37.05,8.15 37.5,7.7 v3(49.7,7.7) ; TJ2.1@45.322,2.883 47.005,1.2 v1(47.6,1.2) 48.4,1.2 53.1,5.9 ; v3(51,6.4) 51.5,5.9 53.1,5.9 ; v5(83.232,46.801) 84.669,48.238 C1.1@84.669,51.634 ; LS1.1@92,9.85 91.75,9.85 87.8,5.9 v1(60.1,5.9) 53.1,5.9
  Bottom Layer w0.65: v4(95.805,34.108) v4(95.805,38.68)
A: DS1.3 DS9.1 U1.9 | length 85.4
  Top Layer w0.3: DS1.3@21.785,34.107 v1(21.785,38.419) ; v1(38.517,38.408) 38.517,29.53 DS9.1@38.69,29.357
  Top Layer w0.35: v1(91.36,38.419) U1.9@93.773,38.419
  Bottom Layer w0.3: v1@21.785,38.373 91.314,38.373 v1(91.36,38.419)
B: DS2.3 DS10.1 U1.10 | length 74.2
  Top Layer w0.3: DS2.3@34.591,34.101 v1(34.591,39.141) ; v1(51.344,39.043) 51.344,29.533 DS10.1@51.52,29.357
  Top Layer w0.35: v1(91.36,39.689) U1.10@93.773,39.689
  Bottom Layer w0.3: v1(34.591,39.141) 90.812,39.141 v1(91.36,39.689)
BOOT0: R15.1 TJ3.1 U7.44 | length 7.9
  Top Layer w0.25: TJ3.1@22.3,-2.292 22.2,-2.192 22.2,-1.8 22.4,-1.6 23.054,-1.6 23.2,-1.454 23.2,-0.9 23.5,-0.6 R15.1@24.35,-0.6 24.35,0.25 24.6,0.5 26,0.5 26.35,0.85 U7.44@26.35,2.1
BUZZER: R6.2 U7.19 | length 73.3
  Top Layer w0.25: v1(24.924,13.535) 24.924,13.276 25.35,12.85 U7.19@25.35,11.1 ; v1(82.675,14.875) 84.15,13.4 87.3,13.4 87.9,12.8 87.9,9.346 87.754,9.2 87.1,9.2 86.85,8.95 R6.2@86.85,7.7
  Bottom Layer w0.25: v1(24.924,13.535) 26.664,15.275 64.667,15.275 65.067,14.875 v1(82.675,14.875)
C: DS3.3 DS11.1 U1.11 | length 63.1
  Top Layer w0.3: DS3.3@47.418,34.101 v1(47.418,39.863) ; v1(59.102,39.816) 59.102,35.101 59.091,35.09 59.091,29.46 DS11.1@59.194,29.357 ; v1(91.36,40.959) U1.11@93.773,40.959
  Bottom Layer w0.3: v1(47.418,39.863) 90.264,39.863 v1(91.36,40.959)
CAN_H: P2.5 R7.2 U2.7 | length 16.1
  Top Layer w0.5: U2.7@53.306,5.224 53.248,5.166 51.766,5.166 51.3,4.7 51.3,1.9 52.2,1 R7.2@54.25,1 54.25,-0.25 54.7,-0.7 56.9,-0.7 59.083,1.483 P2.5@59.44,1.483 P2.5@59.264,1.307
CAN_L: P2.4 TJ4.2 U2.6 | length 12.2
  Top Layer w0.5: U2.6@53.306,3.954 62.049,3.954 P2.4@64.52,1.483
CAN_RXD: U2.4 U7.45 | length 25.3
  Top Layer w0.25: U7.45@26.85,2.1 26.85,3.216 27.434,3.8 28.566,3.8 29.4,2.966 29.4,2.4 31.8,0 35.7,0 38.384,2.684 U2.4@47.756,2.684
CAN_TXD: U2.1 U7.46 | length 33.6
  Top Layer w0.25: U7.46@27.35,2.1 27.35,3.15 27.6,3.4 28.4,3.4 28.9,2.9 28.9,1.9 31.9,-1.1 35.5,-1.1 38.725,2.125 44.009,2.125 44.075,2.059 49.359,2.059 50,2.7 50,5.9 49.406,6.494 U2.1@47.756,6.494
CLK: R1.1 U1.8 U7.15 | length 85.2
  Top Layer w0.25: U7.15@27.35,11.1 27.35,13.85 29.5,16 50.7,16 50.8,16.1
  Top Layer w0.3: 50.8,16.1 53.6,18.9 53.6,21.2 55.459,23.059 68.119,23.059 69.389,24.329 69.389,26.615 70.913,28.139 76.12,28.139 v1(79.041,31.06) ; v1(89.074,34.743) 91.48,37.149 U1.8@93.773,37.149 97.437,37.149 R1.1@97.456,37.168
  Bottom Layer w0.3: v1(79.041,31.06) 82.724,34.743 v1(89.074,34.743)
D: DS4.3 DS12.1 U1.12 | length 50.9
  Top Layer w0.3: v1(60.245,40.585) DS4.3@60.245,34.101 60.245,32.323 61.388,31.18 66.087,31.18 66.868,30.399 DS12.1@66.868,29.357 ; v1(91.36,42.229) U1.12@93.773,42.229
  Bottom Layer w0.3: v1(60.245,40.585) 89.716,40.585 v1(91.36,42.229)
DIO: R2.1 U1.7 U7.16 | length 96.5
  Top Layer w0.25: U7.16@26.85,11.1 26.85,14.15 29.37,16.67 43.77,16.67
  Top Layer w0.3: 43.77,16.67 49.7,22.6 49.7,24.762 50.41,25.472 53.387,25.472 54.657,26.742 54.657,30.425 56.551,32.319 56.551,34.74 56.562,34.751 56.562,40.712 58.25,42.4 70.876,42.4 73.834,39.442 78.66,39.442 v1(81.073,37.029) ; v1@91.367,35.879 U1.7@93.773,35.879 95.685,35.879 95.944,35.62 R2.1@97.456,35.62
  Bottom Layer w0.3: v1(81.073,37.029) 82.216,35.886 v1(91.36,35.886)
DP: DS8.1 U1.16 | length 70.9
  Top Layer w0.35: v1(30.872,43.463) 30.872,29.501 DS8.1@31.016,29.357 ; U1.16@83.723,43.499 v1(85.645,43.499)
  Bottom Layer w0.35: v1@30.872,43.499 v1(85.645,43.499)
E: DS5.3 DS13.1 U1.13 | length 37.9
  Top Layer w0.3: v1(70.532,37.403) v1(70.532,41.307) ; DS5.3@73.072,34.101 73.072,32.577 74.542,31.107 DS13.1@74.542,29.357 ; v1(91.36,43.499) U1.13@93.773,43.499
  Bottom Layer w0.3: v1(70.532,37.403) 73.072,34.863 DS5.3@73.072,34.101 ; v1(70.532,41.307) 89.169,41.307 v1(91.36,43.499) ; DS13.1@74.458,29.441 DS13.1@74.542,29.357
F: D1.1 D2.1 D3.1 D4.1 DS6.1 U1.14 | length 140.2
  Top Layer w0.3: D4.1@7.5,17.16 D3.1@7.5,25.66 D2.1@7.5,34.16 D1.1@7.5,42.66 7.5,44.101 8.302,44.903 11.223,44.903 15.551,40.575 15.551,29.471 DS6.1@15.665,29.357
  Top Layer w0.35: v1(91.36,44.769) U1.14@93.773,44.769
  Bottom Layer w0.3: DS6.1@15.705,29.357 15.705,31.143 15.551,31.297 15.551,41.477 16.104,42.029 88.621,42.029 v1(91.36,44.769)
G: DS7.1 U1.15 | length 80.5
  Top Layer w0.35: v1@23.161,42.737 v1(23.146,42.722) 23.146,29.553 DS7.1@23.342,29.357 ; U1.15@83.723,44.769 83.79,44.836 85.273,44.836 85.509,44.6 v1(85.533,44.6)
  Bottom Layer w0.35: v1@23.146,42.776 85.877,42.776 86.32,43.219 86.32,43.813 v1(85.533,44.6)
GND: BT1.2 C1.2 C2.1 C3.1 C4.2 C5.1 C6.1 C7.1 C8.1 C9.2 C10.2 C11.1 C12.1 C13.2 C14.1 C15.1 C16.2 C18.1 C19.2 C20.1 C21.2 C22.2 D6.1 D7.1 P1.4 P2.2 P3.3 P5.5 P6.2 pad.0 Q1.2 R3.2 R8.2 R12.2 R15.2 R24.1 R25.1 R32.1 TJ1.1 U1.6 U2.2 U3.1 U4.3@63.5,53.7 U4.4 U5.3 U6.9 U6_1.1 U7.8 U7.23 U7.35 U7.47 U8.1 U8.2 U8.3 U8.4 U8.7 | length 91.3
  Top Layer w0.25: 26.85,1.1 26.85,1.05 27.396,0.504 27.604,0.504 27.85,0.75 U7.47@27.85,2.1 ; v1(28.6,7.9) 29.15,7.35 U7.8@30.1,7.35 31.282,7.35 31.532,7.1 v1(31.6,7.1)
  Top Layer w0.5: 11.6,11.8 15.8,11.8 BT1.2@15.9,11.9 17.5,10.3 17.5,9.1 ; C16.2@18.5,-0.15 18.55,-0.15 19.1,0.4 v1(19.2,0.4) 19.3,0.4 19.85,-0.15 C7.1@19.9,-0.15 ; 71.6,1.4 74.597,1.4 P2.2@74.68,1.483 74.697,1.5 77.5,1.5 ; D6.1@104.75,14.67 104.856,14.776 104.856,19.756 107.016,21.916 C13.2@110.236,21.916
  Top Layer w0.57: C10.2@121.205,42.283 124.46,42.283 127.428,39.315 P6.2@127.428,30.679
  Top Layer w0.75: 69.24,5.809 69.806,5.243
  Bottom Layer w0.5: 50.6,12.2 50.7,12.3 53.8,12.3 ; 52.324,8.75 55.224,8.75 ; 71.7,1.4 74.597,1.4 P2.2@74.68,1.483 74.797,1.6 77.4,1.6 ; C13.2@110.236,21.916 110.236,34.315 118.204,42.283 C10.2@121.205,42.283
  Bottom Layer w0.75: 68.881,5.025 71.675,5.025
  other v1: 94.8,-1.5 89.3,-1.4 27.1,0 21.6,2.5 85.58,4.82 25,4.9 26.1,6.7 96.1,7 21.8,10.2 7.9,11 1.5,13.2 18.6,13.2 82.7,16.3 97.3,19.6 97.5,26.7
  other v2: 113.621,45.553 114.621,45.553 113.621,46.453 114.621,46.453 113.621,47.253 114.621,47.253 113.621,48.153 114.621,48.153
H_PULSE: L1.1 P2.3 | length 15.6
  Top Layer w0.5: P2.3@69.6,1.483 69.7,1.583 69.7,3.9 71.6,5.8 79.5,5.8 80.65,6.95 L1.1@80.65,7.9
ICPCK: P3.2 U7.37 | length 17.1
  Top Layer w0.25: v1(22.5,-0.8) 22.85,-0.45 U7.37@22.85,2.1
  Bottom Layer w0.25: P3.2@10.24,-3.4 10.24,-2.139 10.779,-1.6 21.7,-1.6 v1(22.5,-0.8)
ICPDA: P3.4 U7.34 | length 20.2
  Top Layer w0.25: v1(19.125,3.75) 20.075,4.7 20.3,4.7 20.45,4.85 U7.34@21.1,4.85
  Bottom Layer w0.25: P3.4@5.16,-3.4 5.2,-3.36 5.2,-2 6.6,-0.6 14.7,-0.6 19.05,3.75 v1(19.125,3.75)